# KiCad board V1.1_XT30_version.kicad_pcb (continued)
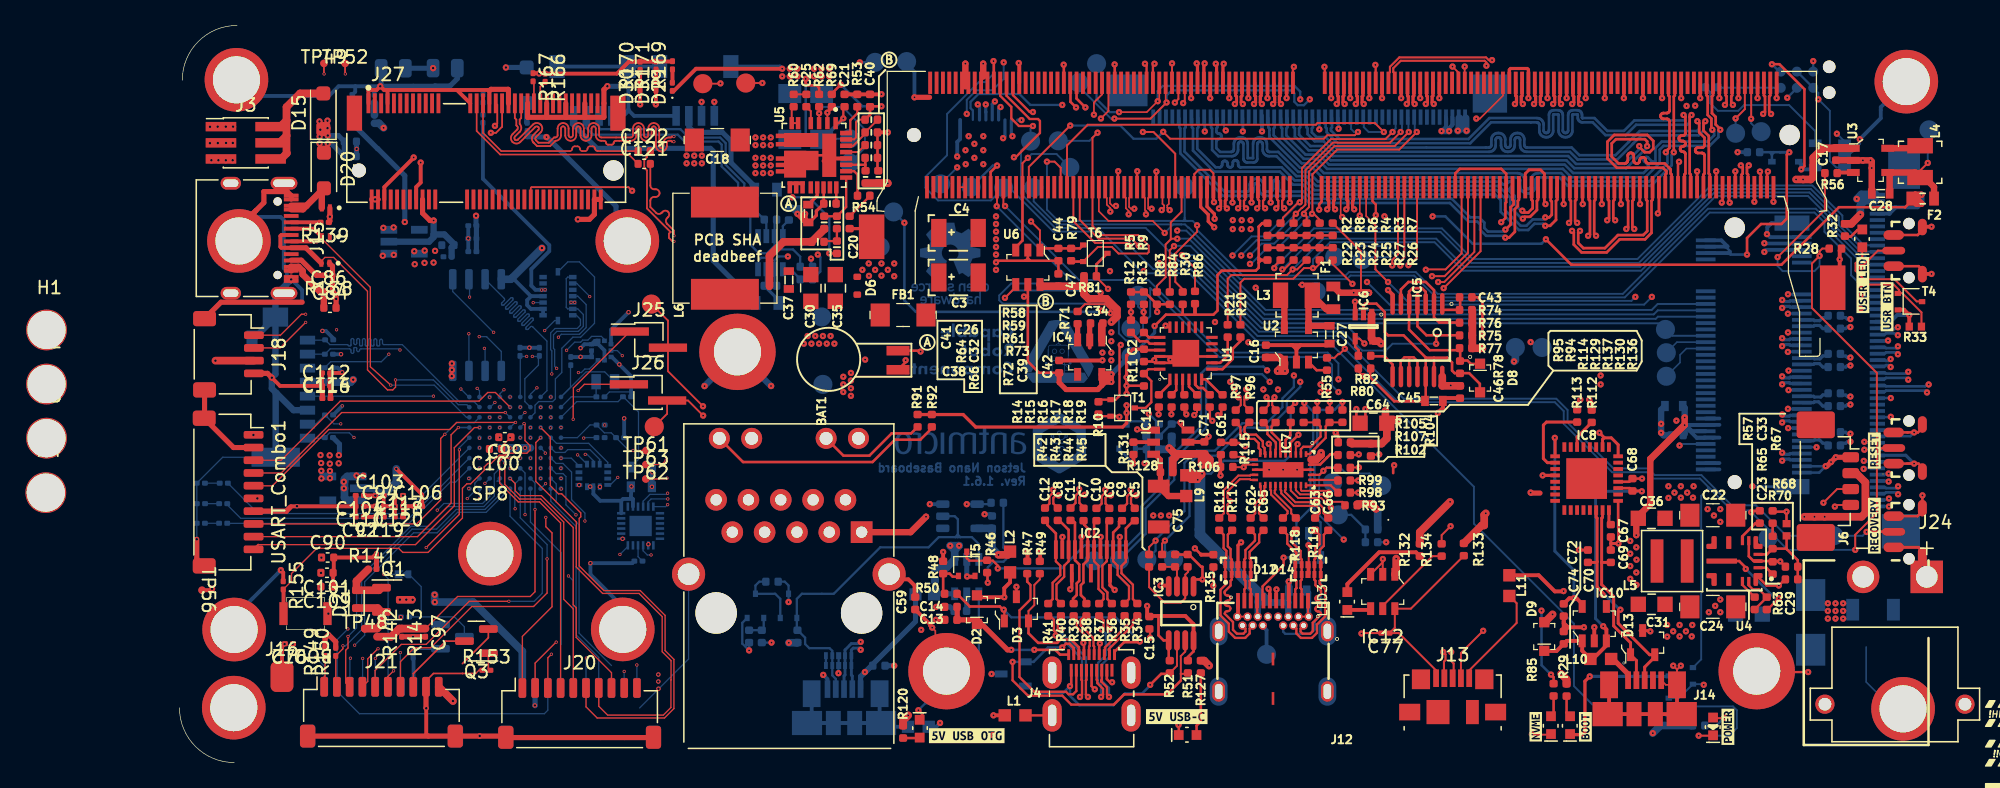
[diagram p0: board, top side]
## Routing (per net, layer and track width the routed paths; a pad name or vN(x,y) marks a point on that pad's centre or on a via; arc(x,y) is an arc through that point) (continued)
ENET_LED1: length 43.2
  Top w0.2: v1(76.75,46.43) 76.73,46.41 M1.188
  In5_3V3_SYS_SIGNAL.Cu w0.2: v1(76.75,46.43) 75.18,44.86 64.2,44.86 63.55,44.21 63.55,27.41 61.61,25.47 J10.11
ENET_TRD0_N: length 53.4
  Top w0.125: M1.184 77.73,43.89 77.6,43.77 77.6,43.59 v1(77.79,43.4)
  In5_3V3_SYS_SIGNAL.Cu w0.125: v1(77.79,43.4) 77.55,43.16 77.55,42.66 76.28,41.39 69.9,41.39 69.48,40.96 69.48,34.39 69.48,34.35 69.49,34.31 69.51,34.28 69.54,34.25 69.57,34.23 69.61,34.21 69.65,34.21 69.8,34.21 69.89,34.2 69.98,34.17 70.05,34.12 70.12,34.06 70.17,33.98 70.2,33.9 70.21,33.81 70.21,33.76 70.2,33.67 70.17,33.59 70.12,33.51 70.05,33.45 69.98,33.4 69.89,33.37 69.8,33.36 68.92,33.36 68.88,33.36 68.84,33.34 68.81,33.32 68.78,33.29 68.76,33.26 68.75,33.22 68.74,33.19 68.75,33.15 68.76,33.11 68.78,33.08 68.81,33.05 68.84,33.03 68.88,33.01 68.92,33.01 69.8,33.01 69.89,33 69.98,32.97 70.05,32.92 70.12,32.86 70.17,32.78 70.2,32.7 70.21,32.61 70.21,32.56 70.2,32.47 70.17,32.39 70.12,32.31 70.05,32.25 69.98,32.2 69.89,32.17 69.8,32.16 68.92,32.16 68.88,32.16 68.84,32.14 68.81,32.12 68.78,32.09 68.76,32.06 68.75,32.02 68.74,31.99 68.75,31.95 68.76,31.91 68.78,31.88 68.81,31.85 68.84,31.83 68.88,31.81 68.92,31.81 69.8,31.81 69.89,31.8 69.98,31.77 70.05,31.72 70.12,31.66 70.17,31.58 70.2,31.5 70.21,31.41 70.21,31.36 70.2,31.27 70.17,31.19 70.12,31.11 70.05,31.05 69.98,31 69.89,30.97 69.8,30.96 69.65,30.96 69.61,30.96 69.57,30.94 69.54,30.92 69.51,30.89 69.49,30.86 69.48,30.82 69.48,30.79 69.48,27.06 68.98,26.56 63.73,21.31 54.55,21.31 51.34,18.1 J10.3
ENET_TRD0_P: length 53.4
  Top w0.125: M1.186 77.23,43.89 77.35,43.77 77.35,43.59 v1(77.16,43.4)
  In5_3V3_SYS_SIGNAL.Cu w0.125: v1(77.16,43.4) 77.3,43.27 77.3,42.76 76.18,41.64 69.8,41.64 69.23,41.06 69.23,34.36 69.24,34.27 69.26,34.19 69.31,34.11 69.38,34.05 69.45,34 69.54,33.97 69.63,33.96 69.78,33.96 69.82,33.96 69.86,33.94 69.89,33.92 69.92,33.89 69.94,33.86 69.95,33.82 69.96,33.79 69.95,33.75 69.94,33.71 69.92,33.68 69.89,33.65 69.86,33.63 69.82,33.61 69.78,33.61 68.9,33.61 68.81,33.6 68.72,33.57 68.65,33.52 68.58,33.46 68.53,33.38 68.5,33.3 68.49,33.21 68.49,33.16 68.5,33.07 68.53,32.99 68.58,32.91 68.65,32.85 68.72,32.8 68.81,32.77 68.9,32.76 69.78,32.76 69.82,32.76 69.86,32.74 69.89,32.72 69.92,32.69 69.94,32.66 69.95,32.62 69.96,32.59 69.95,32.55 69.94,32.51 69.92,32.48 69.89,32.45 69.86,32.43 69.82,32.41 69.78,32.41 68.9,32.41 68.81,32.4 68.72,32.37 68.65,32.32 68.58,32.26 68.53,32.18 68.5,32.1 68.49,32.01 68.49,31.96 68.5,31.87 68.53,31.79 68.58,31.71 68.65,31.65 68.72,31.6 68.81,31.57 68.9,31.56 69.78,31.56 69.82,31.56 69.86,31.54 69.89,31.52 69.92,31.49 69.94,31.46 69.95,31.42 69.96,31.39 69.95,31.35 69.94,31.31 69.92,31.28 69.89,31.25 69.86,31.23 69.82,31.21 69.78,31.21 69.63,31.21 69.54,31.2 69.45,31.17 69.38,31.12 69.31,31.06 69.26,30.98 69.24,30.9 69.23,30.81 69.23,27.16 68.72,26.66 65.12,23.06 65.1,23.04 65.08,23.03 65.05,23.02 65.02,23.02 64.99,23.03 64.97,23.04 64.95,23.06 64.73,23.27 64.71,23.29 64.68,23.3 64.66,23.31 64.63,23.31 64.6,23.3 64.58,23.29 64.55,23.27 64.54,23.25 64.52,23.23 64.52,23.2 64.52,23.17 64.52,23.14 64.54,23.12 64.55,23.1 64.77,22.88 64.79,22.86 64.8,22.84 64.8,22.81 64.8,22.78 64.8,22.75 64.79,22.73 64.77,22.71 64.75,22.69 64.72,22.68 64.69,22.67 64.67,22.67 64.64,22.68 64.61,22.69 64.59,22.71 64.38,22.92 64.36,22.94 64.33,22.95 64.3,22.96 64.27,22.96 64.25,22.95 64.22,22.94 64.2,22.92 64.18,22.9 64.17,22.87 64.16,22.85 64.16,22.82 64.17,22.79 64.18,22.77 64.2,22.74 64.42,22.53 64.43,22.51 64.44,22.48 64.45,22.45 64.45,22.43 64.44,22.4 64.43,22.37 64.42,22.35 64.39,22.33 64.37,22.32 64.34,22.32 64.31,22.32 64.29,22.32 64.26,22.33 64.24,22.35 64.02,22.57 64,22.58 63.98,22.6 63.95,22.6 63.92,22.6 63.89,22.6 63.87,22.58 63.85,22.57 63.83,22.55 63.82,22.52 63.81,22.49 63.81,22.46 63.82,22.44 63.83,22.41 63.85,22.39 64.06,22.18 64.08,22.15 64.09,22.13 64.1,22.1 64.1,22.07 64.09,22.05 64.08,22.02 64.06,22 63.62,21.56 53.24,21.56 J10.2
ENET_TRD1_N: length 53.4
  Top w0.125: 76.11,43.51 v1(76.37,43.51) ; 76.1,43.52 76.1,44.35 76.23,44.48 M1.190
  In5_3V3_SYS_SIGNAL.Cu w0.125: v1(76.37,43.51) 76.02,43.51 76.01,43.51 75.72,43.51 75.49,43.28 75.49,42.99 74.79,42.29 68.62,42.29 67.88,41.54 67.88,37.91 67.88,37.84 67.91,37.76 67.95,37.7 68.01,37.64 68.07,37.6 68.14,37.58 68.22,37.57 68.37,37.57 68.39,37.57 68.42,37.56 68.44,37.54 68.46,37.52 68.47,37.5 68.48,37.48 68.48,37.45 68.48,37.44 68.48,37.41 68.47,37.38 68.46,37.36 68.44,37.34 68.42,37.33 68.39,37.32 68.37,37.32 68.22,37.32 68.14,37.31 68.07,37.28 68.01,37.24 67.95,37.19 67.91,37.12 67.88,37.05 67.88,36.97 67.88,36.91 67.88,36.84 67.91,36.76 67.95,36.7 68.01,36.64 68.07,36.6 68.14,36.58 68.22,36.57 68.37,36.57 68.39,36.57 68.42,36.56 68.44,36.54 68.46,36.52 68.47,36.5 68.48,36.48 68.48,36.45 68.48,36.44 68.48,36.41 68.47,36.38 68.46,36.36 68.44,36.34 68.42,36.33 68.39,36.32 68.37,36.32 68.22,36.32 68.14,36.31 68.07,36.28 68.01,36.24 67.95,36.19 67.91,36.12 67.88,36.05 67.88,35.97 67.88,35.91 67.88,35.84 67.91,35.76 67.95,35.7 68.01,35.64 68.07,35.6 68.14,35.58 68.22,35.57 68.37,35.57 68.39,35.57 68.42,35.56 68.44,35.54 68.46,35.52 68.47,35.5 68.48,35.48 68.48,35.45 68.48,35.44 68.48,35.41 68.47,35.38 68.46,35.36 68.44,35.34 68.42,35.33 68.39,35.32 68.37,35.32 68.22,35.32 68.14,35.31 68.07,35.28 68.01,35.24 67.95,35.19 67.91,35.12 67.88,35.05 67.88,34.97 67.88,27.61 62.6,22.34 48.87,22.34 48.51,21.97 J10.5
ENET_TRD1_P: length 53.4
  Top w0.125: M1.192 75.73,44.48 75.85,44.35 75.85,43.41 75.93,43.34 v1(75.93,43.07)
  In5_3V3_SYS_SIGNAL.Cu w0.125: v1(75.93,43.07) 74.89,42.04 68.78,42.04 68.12,41.39 68.12,37.94 68.13,37.91 68.14,37.88 68.15,37.86 68.17,37.84 68.19,37.83 68.22,37.82 68.24,37.82 68.39,37.82 68.46,37.81 68.54,37.78 68.6,37.74 68.66,37.69 68.7,37.62 68.72,37.55 68.73,37.47 68.73,37.41 68.72,37.34 68.7,37.26 68.66,37.2 68.6,37.14 68.54,37.1 68.46,37.08 68.39,37.07 68.24,37.07 68.22,37.07 68.19,37.06 68.17,37.04 68.15,37.02 68.14,37 68.13,36.98 68.12,36.95 68.12,36.94 68.13,36.91 68.14,36.88 68.15,36.86 68.17,36.84 68.19,36.83 68.22,36.82 68.24,36.82 68.39,36.82 68.46,36.81 68.54,36.78 68.6,36.74 68.66,36.69 68.7,36.62 68.72,36.55 68.73,36.47 68.73,36.41 68.72,36.34 68.7,36.26 68.66,36.2 68.6,36.14 68.54,36.1 68.46,36.08 68.39,36.07 68.24,36.07 68.22,36.07 68.19,36.06 68.17,36.04 68.15,36.02 68.14,36 68.13,35.98 68.12,35.95 68.12,35.94 68.13,35.91 68.14,35.88 68.15,35.86 68.17,35.84 68.19,35.83 68.22,35.82 68.24,35.82 68.39,35.82 68.46,35.81 68.54,35.78 68.6,35.74 68.66,35.69 68.7,35.62 68.72,35.55 68.73,35.47 68.73,35.41 68.72,35.34 68.7,35.26 68.66,35.2 68.6,35.14 68.54,35.1 68.46,35.08 68.39,35.07 68.24,35.07 68.22,35.07 68.19,35.06 68.17,35.04 68.15,35.02 68.14,35 68.13,34.98 68.12,34.95 68.12,27.51 66.28,25.66 66.26,25.64 66.25,25.61 66.24,25.59 66.24,25.56 66.25,25.53 66.26,25.51 66.3,25.46 66.31,25.44 66.31,25.41 66.31,25.38 66.31,25.35 66.3,25.33 66.28,25.31 66.26,25.29 66.23,25.28 66.2,25.27 66.18,25.27 66.15,25.28 66.12,25.29 66.08,25.32 66.05,25.34 66.03,25.34 66,25.34 65.97,25.34 65.95,25.32 65.92,25.31 65.91,25.29 65.89,25.26 65.89,25.23 65.89,25.2 65.89,25.18 65.91,25.15 65.94,25.11 65.95,25.08 65.96,25.06 65.96,25.03 65.95,25 65.94,24.98 65.92,24.95 65.9,24.94 65.88,24.92 65.85,24.92 65.82,24.92 65.79,24.92 65.77,24.94 65.73,24.97 65.7,24.98 65.67,24.99 65.64,24.99 65.62,24.98 65.59,24.97 65.57,24.95 65.55,24.93 65.54,24.91 65.53,24.88 65.53,24.85 65.54,24.82 65.55,24.8 65.59,24.76 65.6,24.73 65.61,24.7 65.61,24.67 65.6,24.65 65.59,24.62 65.57,24.6 65.55,24.58 65.52,24.57 65.5,24.56 65.47,24.56 65.44,24.57 65.42,24.58 65.37,24.62 65.35,24.63 65.32,24.64 65.29,24.64 65.26,24.63 65.24,24.62 65.22,24.6 65.2,24.58 65.19,24.55 65.18,24.53 65.18,24.5 65.19,24.47 65.2,24.45 65.23,24.4 65.25,24.38 65.25,24.35 65.25,24.32 65.25,24.29 65.23,24.27 65.22,24.25 65.2,24.23 65.17,24.22 65.14,24.21 65.11,24.21 65.09,24.22 65.06,24.23 65.02,24.26 64.99,24.28 64.97,24.28 64.94,24.28 64.91,24.28 64.89,24.26 64.86,24.25 62.7,22.09 51.55,22.09 51.52,22.08 51.5,22.07 51.47,22.06 51.45,22.04 51.44,22.01 51.43,21.99 51.42,21.96 51.42,21.78 51.42,21.76 51.41,21.73 51.4,21.71 51.38,21.69 51.35,21.67 51.33,21.66 51.3,21.66 51.27,21.66 51.25,21.67 51.22,21.69 51.2,21.71 51.19,21.73 51.18,21.76 51.17,21.78 51.17,21.96 51.17,21.99 51.16,22.01 51.15,22.04 51.13,22.06 51.1,22.07 51.08,22.08 51.05,22.09 51.02,22.08 51,22.07 50.97,22.06 50.95,22.04 50.94,22.01 50.93,21.99 50.92,21.96 50.92,21.78 50.92,21.76 50.91,21.73 50.9,21.71 50.88,21.69 50.85,21.67 50.83,21.66 50.8,21.66 50.77,21.66 50.75,21.67 50.72,21.69 50.7,21.71 50.69,21.73 50.68,21.76 50.67,21.78 50.67,21.96 50.67,21.99 50.66,22.01 50.65,22.04 50.63,22.06 50.6,22.07 50.58,22.08 50.55,22.09 50.52,22.08 50.5,22.07 50.47,22.06 50.45,22.04 50.44,22.01 50.43,21.99 50.42,21.96 50.42,21.78 50.42,21.76 50.41,21.73 50.4,21.71 50.38,21.69 50.35,21.67 50.33,21.66 50.3,21.66 50.27,21.66 50.25,21.67 50.22,21.69 50.2,21.71 50.19,21.73 50.18,21.76 50.17,21.78 50.17,21.96 50.17,21.99 50.16,22.01 50.15,22.04 50.13,22.06 50.1,22.07 50.08,22.08 50.05,22.09 48.98,22.09 48.76,21.87 48.76,21.66 J10.4
ENET_TRD2_N: length 53.4
  Top w0.125: M1.196 74.73,44.48 74.6,44.35 74.6,43.66 74.75,43.51 v1(75.01,43.51)
  In5_3V3_SYS_SIGNAL.Cu w0.125: J10.8 47.1,23.04 61.6,23.04 62.76,24.2 62.78,24.22 62.79,24.25 62.8,24.27 62.8,24.3 62.79,24.33 62.78,24.35 62.76,24.38 62.68,24.46 62.66,24.48 62.65,24.5 62.65,24.53 62.65,24.56 62.65,24.59 62.66,24.61 62.68,24.63 62.7,24.65 62.73,24.66 62.76,24.67 62.78,24.67 62.81,24.66 62.84,24.65 62.86,24.63 62.94,24.55 62.96,24.53 62.99,24.52 63.01,24.52 63.04,24.52 63.07,24.52 63.09,24.53 63.12,24.55 63.13,24.57 63.14,24.6 63.15,24.63 63.15,24.65 63.14,24.68 63.13,24.71 63.12,24.73 63.03,24.81 63.02,24.83 63.01,24.86 63,24.88 63,24.91 63.01,24.94 63.02,24.96 63.03,24.99 63.06,25 63.08,25.02 63.11,25.02 63.14,25.02 63.16,25.02 63.19,25 63.21,24.99 63.29,24.91 63.31,24.89 63.34,24.88 63.37,24.87 63.39,24.87 63.42,24.88 63.45,24.89 63.47,24.91 63.49,24.93 63.5,24.95 63.5,24.98 63.5,25.01 63.5,25.04 63.49,25.06 63.47,25.08 63.39,25.16 63.37,25.18 63.36,25.21 63.35,25.24 63.35,25.27 63.36,25.29 63.37,25.32 63.39,25.34 63.41,25.36 63.44,25.37 63.46,25.38 63.49,25.38 63.52,25.37 63.54,25.36 63.57,25.34 63.65,25.26 63.67,25.24 63.69,25.23 63.72,25.22 63.75,25.22 63.78,25.23 63.8,25.24 63.82,25.26 67.02,28.46 67.02,31.63 67.02,31.67 67.01,31.71 66.99,31.74 66.96,31.77 66.93,31.79 66.89,31.81 66.85,31.81 66.68,31.81 66.59,31.82 66.5,31.85 66.43,31.9 66.36,31.96 66.31,32.04 66.28,32.12 66.27,32.21 66.27,32.26 66.28,32.35 66.31,32.43 66.36,32.51 66.43,32.57 66.5,32.62 66.59,32.65 66.68,32.66 66.85,32.66 66.89,32.66 66.93,32.68 66.96,32.7 66.99,32.73 67.01,32.76 67.02,32.8 67.02,32.83 67.02,32.87 67.01,32.91 66.99,32.94 66.96,32.97 66.93,32.99 66.89,33.01 66.85,33.01 66.68,33.01 66.59,33.02 66.5,33.05 66.43,33.1 66.36,33.16 66.31,33.24 66.28,33.32 66.27,33.41 66.27,33.46 66.28,33.55 66.31,33.63 66.36,33.71 66.43,33.77 66.5,33.82 66.59,33.85 66.68,33.86 66.85,33.86 66.89,33.86 66.93,33.88 66.96,33.9 66.99,33.93 67.01,33.96 67.02,34 67.02,34.03 67.02,41.84 68.02,42.84 73.98,42.84 74.13,42.99 74.13,43.28 74.36,43.51 74.65,43.51 74.66,43.51 v1(75.01,43.51)
ENET_TRD2_P: length 53.4
  Top w0.125: v1(74.57,43.07) 74.57,43.34 74.35,43.55 74.35,44.35 74.23,44.48 M1.198
  In5_3V3_SYS_SIGNAL.Cu w0.125: J10.7 45.97,21.56 47.2,22.79 47.33,22.79 47.35,22.78 47.38,22.77 47.4,22.76 47.42,22.74 47.44,22.71 47.45,22.69 47.45,22.66 47.45,22.64 47.45,22.62 47.46,22.59 47.48,22.57 47.5,22.55 47.52,22.53 47.55,22.52 47.58,22.52 47.6,22.52 47.63,22.53 47.65,22.55 47.67,22.57 47.69,22.59 47.7,22.62 47.7,22.64 47.7,22.66 47.7,22.69 47.71,22.71 47.73,22.74 47.75,22.76 47.77,22.77 47.8,22.78 47.83,22.79 61.7,22.79 67.28,28.36 67.27,31.66 67.26,31.75 67.24,31.83 67.19,31.91 67.12,31.97 67.05,32.02 66.96,32.05 66.87,32.06 66.7,32.06 66.66,32.06 66.62,32.08 66.59,32.1 66.56,32.13 66.54,32.16 66.53,32.2 66.52,32.23 66.53,32.27 66.54,32.31 66.56,32.34 66.59,32.37 66.62,32.39 66.66,32.41 66.7,32.41 66.87,32.41 66.96,32.42 67.05,32.45 67.12,32.5 67.19,32.56 67.24,32.64 67.26,32.72 67.27,32.81 67.27,32.86 67.26,32.95 67.24,33.03 67.19,33.11 67.12,33.17 67.05,33.22 66.96,33.25 66.87,33.26 66.7,33.26 66.66,33.26 66.62,33.28 66.59,33.3 66.56,33.33 66.54,33.36 66.53,33.4 66.52,33.43 66.53,33.47 66.54,33.51 66.56,33.54 66.59,33.57 66.62,33.59 66.66,33.61 66.7,33.61 66.87,33.61 66.96,33.62 67.05,33.65 67.12,33.7 67.19,33.76 67.24,33.84 67.26,33.92 67.27,34.01 67.28,41.74 68.12,42.59 74.08,42.59 v1(74.57,43.07)
ENET_TRD3_N: length 53.4
  Top w0.125: M1.202 73.23,44.48 73.1,44.35 73.1,43.93 73.31,43.73 v1(73.57,43.73)
  In5_3V3_SYS_SIGNAL.Cu w0.125: J10.10 45.36,23.84 61,23.84 62.58,25.41 62.59,25.43 62.61,25.46 62.61,25.49 62.61,25.52 62.61,25.54 62.59,25.57 62.58,25.59 62.48,25.69 62.46,25.71 62.45,25.73 62.44,25.76 62.44,25.79 62.45,25.82 62.46,25.84 62.48,25.86 62.5,25.88 62.53,25.89 62.55,25.9 62.58,25.9 62.61,25.89 62.63,25.88 62.66,25.86 62.75,25.77 62.77,25.75 62.8,25.74 62.83,25.73 62.86,25.73 62.88,25.74 62.91,25.75 62.93,25.77 62.95,25.79 62.96,25.81 62.97,25.84 62.97,25.87 62.96,25.9 62.95,25.92 62.93,25.94 62.83,26.04 62.81,26.06 62.8,26.09 62.8,26.11 62.8,26.14 62.8,26.17 62.81,26.2 62.83,26.22 62.85,26.23 62.88,26.25 62.91,26.25 62.93,26.25 62.96,26.25 62.99,26.23 63.01,26.22 63.11,26.12 63.13,26.1 63.15,26.09 63.18,26.08 63.21,26.08 63.24,26.09 63.26,26.1 63.28,26.12 63.3,26.14 63.31,26.17 63.32,26.19 63.32,26.22 63.31,26.25 63.3,26.27 63.28,26.3 63.19,26.39 63.17,26.42 63.16,26.44 63.15,26.47 63.15,26.5 63.16,26.52 63.17,26.55 63.19,26.57 63.21,26.59 63.23,26.6 63.26,26.61 63.29,26.61 63.32,26.6 63.34,26.59 63.36,26.57 63.46,26.47 63.48,26.46 63.51,26.44 63.53,26.44 63.56,26.44 63.59,26.44 63.61,26.46 63.64,26.47 65.53,28.36 65.53,43.36 66,43.84 73.2,43.84 73.31,43.73 v1(73.57,43.73)
ENET_TRD3_P: length 53.4
  Top w0.125: v1(73.13,43.29) 73.13,43.55 72.85,43.83 72.85,44.35 72.73,44.48 M1.204
  In5_3V3_SYS_SIGNAL.Cu w0.125: v1(73.13,43.29) 73.13,43.55 73.1,43.59 66.1,43.59 65.78,43.26 65.78,28.26 61.1,23.59 45.46,23.59 43.43,21.56 J10.9
FAN_PWM: length 11.5
  Top w0.15: v1(66.65,47.51) 66.23,47.09 M1.230
  Top w0.2: M1.230 66.23,41.01 65.7,40.48 U6.3
  Bottom w0.15: TP8.1 68.9,47.81 66.95,47.81 v1(66.65,47.51)
FAN_TACH: length 23.3
  Top w0.15: v1(72.12,49.49) 71.73,49.09 M1.208 71.73,42.16 72.45,41.43 75.33,41.43 76.15,40.61 76.15,40.11 76.03,39.99 73.78,39.99 73.26,40.51 72.15,40.51 T6.2
  Top w0.2: R79.2 70.12,39.36 T6.2
  Bottom w0.15: v1(72.12,49.49) 71.49,48.85 TP9.1
GEN0_SCL: length 126.7
  Top w0.125: M1.185 77.48,51.93 v1(77.55,51.86)
  Top w0.15: v1(73.45,50.59) 73.45,50.59 76.28,50.59 v1(77.55,51.86)
  Top w0.18: R98.1 v1(92.6,21.21)
  In2.Cu w0.125: v1(92.6,21.21) 92.64,21.21 94.95,23.52 94.95,24.87 94.1,25.72 94.1,30.06 93.85,30.31 93.85,33.36 93.4,33.81 90.5,33.81 90.35,33.96 90.35,39.26 93.55,42.46 93.55,43.61 88.55,48.61 88.55,51.86 v1(88.8,52.11)
  In2.Cu w0.15: v1(130.21,49.4) 129.14,49.4 v1(126.31,52.23) 125.63,52.91 119.25,52.91 118.95,52.61 118.95,51.74 v1(119.08,51.61)
  In3_SIGNAL.Cu w0.15: v1(77.55,51.86) 77.15,51.46 76.45,51.46 76.3,51.61 76.3,52.76 77.75,54.21 117.67,54.21 119.03,52.86 119.03,51.66 v1(119.08,51.61)
  Bottom w0.15: IC1.1 130.81,48.8 v1(130.21,49.4) ; v1(73.45,50.59) 73.18,50.59 70.65,53.12 TP14.1
  Bottom w0.18: v1(77.55,51.86) 77.55,52.41 77.95,52.81 87.35,52.81 87.59,52.58 87.59,51.92 87.86,51.65 88.34,51.65 v1(88.8,52.11) ; v1(126.31,52.23) 127.07,52.99 TP1.4
GEN0_SDA: length 128
  Top w0.125: M1.187 76.98,52.09 v1(76.85,51.96) 75.99,51.1 v1(73.82,51.1)
  Top w0.18: R99.1 v1(92.6,22.16)
  In2.Cu w0.125: v1(88.05,52.11) 88.3,51.86 88.3,48.51 93.3,43.51 93.3,42.56 90.05,39.31 90.05,33.76 90.3,33.51 93.25,33.51 93.55,33.21 93.55,30.26 93.8,30.01 93.8,25.67 94.7,24.77 94.7,23.63 93.23,22.16 v1(92.6,22.16)
  In2.Cu w0.15: v1(118.4,51.59) 118.55,51.74 118.55,52.81 119.15,53.41 127.45,53.41 v1(128.75,52.11)
  In3_SIGNAL.Cu w0.15: v1(76.85,51.96) 76.85,52.71 77.95,53.81 117.55,53.81 118.43,52.93 118.43,51.61 v1(118.4,51.59)
  Bottom w0.15: IC1.3 130.16,46.75 129.66,47.25 129.66,51.2 v1(128.75,52.11) 128.75,52.61 TP1.6
  Bottom w0.18: TP1.6 127.07,54.29 TP1.3 ; TP15.1 72.05,52.13 73.08,51.1 v1(73.82,51.1) ; v1(76.85,51.96) 76.85,52.76 77.25,53.16 87.6,53.16 88.05,52.71 v1(88.05,52.11)
HDMI_PWR: length 31.2
  Top w0.2: 79.67,9.59 79.67,8.73 79.22,8.29 79.22,7.93 ; 77.8,7.93 77.72,8.02 IC3.5 77.31,9.59 76.91,9.99 76.91,11.52
  Top w0.25: v1(69.98,13.61) 70.1,13.73 IC2.13 ; IC2.15 73.1,13.93 v1(73.47,13.56)
  Top w0.3: 79.67,9.59 79.67,10.87 79.02,11.52 76.1,11.52 76.05,11.46 76.02,11.49 v1(76.02,12.3) ; L2.2 65.25,14.16 64.8,13.7 v1(64.8,12.99) 62.8,12.99 D2.A
  In2.Cu w0.3: v1(76.02,12.3) 74.75,13.57 68.14,13.57 67.56,12.99 v1(64.8,12.99)
HDMI_SHIELD: length 6.8
  Top w0.18: J4.SH 66.47,3.7 L1.2
  Top w0.2: v1(71.91,5.75) 71.66,6 J4.10 ; J4.7 72.26,9.3 v1(72.31,9.35) ; J4.13 71.06,9.35 v1(71.01,9.4) ; v1(73.27,6.31) 73.1,6.31 72.86,6.55 J4.4
I2C1_SCL: length 39
  Top w0.18: v1(76.6,54.9) 76.48,54.78 M1.189
  In3_SIGNAL.Cu w0.15: v1(42.02,51.91) 42.14,52.04 53.58,52.04 54.65,53.11 75.65,53.11 76.6,54.06 v1(76.6,54.9)
  Bottom w0.18: v1(42.02,51.91) J9.4
I2C1_SDA: length 39.3
  Top w0.18: M1.191 75.98,54.78 v1(75.85,54.9)
  In3_SIGNAL.Cu w0.15: v1(75.85,54.9) 75.85,53.91 75.45,53.51 54.45,53.51 53.45,52.51 41.62,52.51 v1(41.02,51.91)
  Bottom w0.18: v1(41.02,51.91) J9.3
I2C_MUX_RESET: length 53.4
  Top w0.18: R10.2 72.37,28.51 T1.1 73.55,28.51 73.85,28.81 73.85,32.71 v1(73.95,32.81) ; M1.127 93.98,54.78 v1(93.95,54.81)
  In2.Cu w0.125: v1(73.95,32.81) 77.45,32.81 78.05,33.41 78.05,35.51 74.05,39.51 74.05,44.64 74.45,45.04 74.45,53.21 74.95,53.71 86.95,53.71 87.35,54.11 93.25,54.11 v1(93.95,54.81)
M2_ALERT: length 58.8
  Top w0.15: M1.212 70.73,42.63 72.2,41.16 74.8,41.16 v1(75.35,40.61) ; R86.1 79.78,38.84 v1(78.75,39.87)
  In2.Cu w0.15: v1(75.35,40.61) 76.09,39.87 v1(78.75,39.87)
  Bottom w0.15: J7.44 117.31,33.53 116.33,34.51 85.05,34.51 79.69,39.87 v1(78.75,39.87)
OTG_USB_D_N: length 86.4
  Top w0.25: v1(98.54,51.74) 98.41,51.87 98.41,52.33 98.48,52.39 98.48,53.4
  In3_SIGNAL.Cu w0.16: v1(98.54,51.74) 98.54,51.39 98.37,51.22 98.37,49.35 97.75,48.73 71.98,48.73 68.28,45.03 68.28,36.74 66.18,34.64 66.18,19.94 64.68,18.44 59.18,18.44 58.39,17.65 58.39,12.2 55.22,9.03 53.69,9.03 v1(53.52,8.86)
  Bottom w0.23: J11.2 52.86,6.8 52.78,6.88 52.78,8.84 52.93,8.99 53.38,8.99 v1(53.52,8.86)
OTG_USB_D_P: length 86.6
  Top w0.25: v1(97.91,51.74) 98.04,51.87 98.04,52.33 97.98,52.39 97.98,53.4
  In3_SIGNAL.Cu w0.16: v1(97.91,51.74) 97.91,51.39 98.07,51.23 98.07,49.45 97.64,49.01 71.86,49.01 68,45.15 68,36.86 65.89,34.75 65.89,20.05 64.56,18.72 59.06,18.72 58.11,17.77 58.11,12.32 55.1,9.31 53.69,9.31 v1(53.52,9.48)
  Bottom w0.23: v1(53.52,9.48) 53.38,9.35 52.78,9.35 52.28,8.85 52.28,6.88 52.21,6.8 J11.3
PCIE0_CLK_N: length 66
  Top w0.18: v1(83.79,43.55) 83.63,43.71 83.63,44.14 83.73,44.24 M1.160
  In3_SIGNAL.Cu w0.185: v1(83.79,43.55) 83.63,43.7 83.63,44.14 84.35,44.86 97.91,44.86 102.8,39.98 108.54,39.98 108.63,39.99 108.72,40.02 108.8,40.06 108.86,40.13 108.91,40.21 108.94,40.29 108.95,40.38 108.95,40.57 108.95,40.59 108.96,40.62 108.98,40.64 108.99,40.66 109.02,40.67 109.04,40.68 109.07,40.68 109.2,40.68 109.23,40.68 109.25,40.67 109.28,40.66 109.29,40.64 109.31,40.62 109.32,40.59 109.32,40.57 109.32,39.68 109.33,39.58 109.36,39.5 109.41,39.42 109.47,39.36 109.55,39.31 109.64,39.28 109.73,39.27 109.91,39.27 110,39.28 110.09,39.31 110.17,39.36 110.23,39.42 110.28,39.5 110.31,39.58 110.32,39.68 110.32,40.52 110.32,40.53 110.33,40.55 110.34,40.56 110.35,40.57 110.36,40.58 110.37,40.58 110.39,40.58 110.62,40.58 110.64,40.58 110.65,40.58 110.67,40.57 110.68,40.56 110.68,40.55 110.69,40.53 110.69,40.52 110.69,39.68 110.7,39.58 110.73,39.5 110.78,39.42 110.84,39.36 110.92,39.31 111.01,39.28 111.1,39.27 111.28,39.27 111.37,39.28 111.46,39.31 111.54,39.36 111.6,39.42 111.65,39.5 111.68,39.58 111.69,39.68 111.69,40.57 111.69,40.59 111.7,40.62 111.72,40.64 111.74,40.66 111.76,40.67 111.78,40.68 111.81,40.68 111.94,40.68 111.97,40.68 112,40.67 112.02,40.66 112.04,40.64 112.05,40.62 112.06,40.59 112.06,40.57 112.06,39.68 112.07,39.58 112.1,39.5 112.15,39.42 112.22,39.36 112.29,39.31 112.38,39.28 112.47,39.27 112.66,39.27 112.75,39.28 112.83,39.31 112.91,39.36 112.97,39.42 113.02,39.5 113.05,39.58 113.06,39.68 113.06,40.57 113.07,40.59 113.07,40.62 113.09,40.64 113.11,40.66 113.13,40.67 113.15,40.68 113.18,40.68 113.32,40.68 113.34,40.68 113.37,40.67 113.39,40.66 113.41,40.64 113.42,40.62 113.43,40.59 113.43,40.57 113.43,39.68 113.44,39.58 113.47,39.5 113.52,39.42 113.59,39.36 113.66,39.31 113.75,39.28 113.84,39.27 114.03,39.27 114.12,39.28 114.2,39.31 114.28,39.36 114.35,39.42 114.39,39.5 114.42,39.58 114.43,39.68 114.43,40.57 114.44,40.59 114.45,40.62 114.46,40.64 114.48,40.66 114.5,40.67 114.53,40.68 114.55,40.68 114.69,40.68 114.71,40.68 114.74,40.67 114.76,40.66 114.78,40.64 114.79,40.62 114.8,40.59 114.8,40.57 114.8,39.68 114.81,39.58 114.84,39.5 114.89,39.42 114.96,39.36 115.03,39.31 115.12,39.28 115.21,39.27 115.4,39.27 115.49,39.28 115.57,39.31 115.65,39.36 115.72,39.42 115.76,39.5 115.79,39.58 115.81,39.68 115.81,40.57 115.81,40.59 115.82,40.62 115.83,40.64 115.85,40.66 115.87,40.67 115.9,40.68 115.92,40.68 116.06,40.68 116.08,40.68 116.11,40.67 116.13,40.66 116.15,40.64 116.16,40.62 116.17,40.59 116.18,40.57 116.18,39.68 116.19,39.58 116.22,39.5 116.26,39.42 116.33,39.36 116.41,39.31 116.49,39.28 116.58,39.27 116.77,39.27 116.86,39.28 116.95,39.31 117.02,39.36 117.09,39.42 117.14,39.5 117.17,39.58 117.18,39.68 117.18,40.57 117.18,40.59 117.19,40.62 117.2,40.64 117.22,40.66 117.24,40.67 117.27,40.68 117.29,40.68 117.43,40.68 117.46,40.68 117.48,40.67 117.5,40.66 117.52,40.64 117.53,40.62 117.54,40.59 117.55,40.57 117.55,40.38 117.56,40.29 117.59,40.21 117.64,40.13 117.7,40.06 117.78,40.02 117.86,39.99 117.95,39.98 119.64,39.98 123.74,35.87 124.62,35.87 124.66,35.87 124.7,35.86 124.73,35.83 124.76,35.8 124.78,35.77 124.8,35.73 124.8,35.69 124.8,35.64 124.81,35.6 124.82,35.56 124.84,35.53 124.87,35.5 124.91,35.48 124.94,35.46 124.99,35.46 125.03,35.46 125.07,35.48 125.1,35.5 125.13,35.53 125.15,35.56 125.17,35.6 125.17,35.64 125.17,35.69 125.18,35.73 125.19,35.77 125.21,35.8 125.24,35.83 125.28,35.86 125.31,35.87 125.36,35.87 125.75,35.87 v1(125.91,35.72)
  Bottom w0.25: v1(125.91,35.72) 126.03,35.84 126.48,35.84 126.54,35.78 J7.53
PCIE0_CLK_P: length 66
  Top w0.18: v1(83.16,43.55) 83.32,43.71 83.32,44.14 83.23,44.24 M1.162
  In3_SIGNAL.Cu w0.185: v1(125.91,36.34) 125.75,36.18 123.87,36.18 119.77,40.29 117.98,40.29 117.95,40.29 117.93,40.3 117.91,40.32 117.89,40.34 117.87,40.36 117.86,40.38 117.86,40.41 117.86,40.59 117.85,40.68 117.82,40.77 117.77,40.85 117.71,40.91 117.63,40.96 117.54,40.99 117.45,41 117.27,41 117.18,40.99 117.09,40.96 117.01,40.91 116.95,40.85 116.9,40.77 116.87,40.68 116.86,40.59 116.86,39.7 116.86,39.67 116.85,39.65 116.84,39.63 116.82,39.61 116.79,39.59 116.77,39.59 116.74,39.58 116.61,39.58 116.58,39.59 116.56,39.59 116.53,39.61 116.52,39.63 116.5,39.65 116.49,39.67 116.49,39.7 116.49,40.59 116.48,40.68 116.45,40.77 116.4,40.85 116.34,40.91 116.26,40.96 116.17,40.99 116.08,41 115.9,41 115.81,40.99 115.72,40.96 115.64,40.91 115.58,40.85 115.53,40.77 115.5,40.68 115.49,40.59 115.49,39.7 115.49,39.67 115.48,39.65 115.46,39.63 115.45,39.61 115.42,39.59 115.4,39.59 115.37,39.58 115.24,39.58 115.21,39.59 115.19,39.59 115.16,39.61 115.15,39.63 115.13,39.65 115.12,39.67 115.12,39.7 115.12,40.59 115.11,40.68 115.08,40.77 115.03,40.85 114.97,40.91 114.89,40.96 114.8,40.99 114.71,41 114.53,41 114.44,40.99 114.35,40.96 114.27,40.91 114.21,40.85 114.16,40.77 114.13,40.68 114.12,40.59 114.12,39.7 114.12,39.67 114.11,39.65 114.09,39.63 114.07,39.61 114.05,39.59 114.03,39.59 114,39.58 113.87,39.58 113.84,39.59 113.81,39.59 113.79,39.61 113.77,39.63 113.76,39.65 113.75,39.67 113.75,39.7 113.75,40.59 113.74,40.68 113.71,40.77 113.66,40.85 113.59,40.91 113.52,40.96 113.43,40.99 113.34,41 113.16,41 113.06,40.99 112.98,40.96 112.9,40.91 112.84,40.85 112.79,40.77 112.76,40.68 112.75,40.59 112.75,39.7 112.74,39.67 112.74,39.65 112.72,39.63 112.7,39.61 112.68,39.59 112.66,39.59 112.63,39.58 112.49,39.58 112.47,39.59 112.44,39.59 112.42,39.61 112.4,39.63 112.39,39.65 112.38,39.67 112.38,39.7 112.38,40.59 112.37,40.68 112.34,40.77 112.29,40.85 112.22,40.91 112.15,40.96 112.06,40.99 111.97,41 111.78,41 111.69,40.99 111.61,40.96 111.53,40.91 111.47,40.85 111.42,40.77 111.39,40.68 111.38,40.59 111.38,39.7 111.37,39.67 111.36,39.65 111.35,39.63 111.33,39.61 111.31,39.59 111.29,39.59 111.26,39.58 111.12,39.58 111.1,39.59 111.07,39.59 111.05,39.61 111.03,39.63 111.02,39.65 111.01,39.67 111.01,39.7 111.01,40.54 111,40.62 110.97,40.69 110.93,40.76 110.87,40.82 110.8,40.86 110.73,40.89 110.65,40.9 110.37,40.9 110.29,40.89 110.21,40.86 110.14,40.82 110.08,40.76 110.04,40.69 110.01,40.62 110.01,40.54 110.01,39.7 110,39.67 109.99,39.65 109.98,39.63 109.96,39.61 109.94,39.59 109.91,39.59 109.89,39.58 109.75,39.58 109.73,39.59 109.7,39.59 109.68,39.61 109.66,39.63 109.65,39.65 109.64,39.67 109.64,39.7 109.64,40.59 109.63,40.68 109.59,40.77 109.55,40.85 109.48,40.91 109.4,40.96 109.32,40.99 109.23,41 109.04,41 108.95,40.99 108.87,40.96 108.79,40.91 108.72,40.85 108.67,40.77 108.64,40.68 108.63,40.59 108.63,40.41 108.63,40.38 108.62,40.36 108.61,40.34 108.59,40.32 108.57,40.3 108.54,40.29 108.52,40.29 102.92,40.29 98.04,45.17 84.15,45.17 83.32,44.34 83.32,43.7 v1(83.16,43.55)
  Bottom w0.25: v1(125.91,36.34) 126.03,36.22 126.48,36.22 126.54,36.28 J7.55
